# KiCad board KlusterLab r2.0.kicad_pcb (continued)
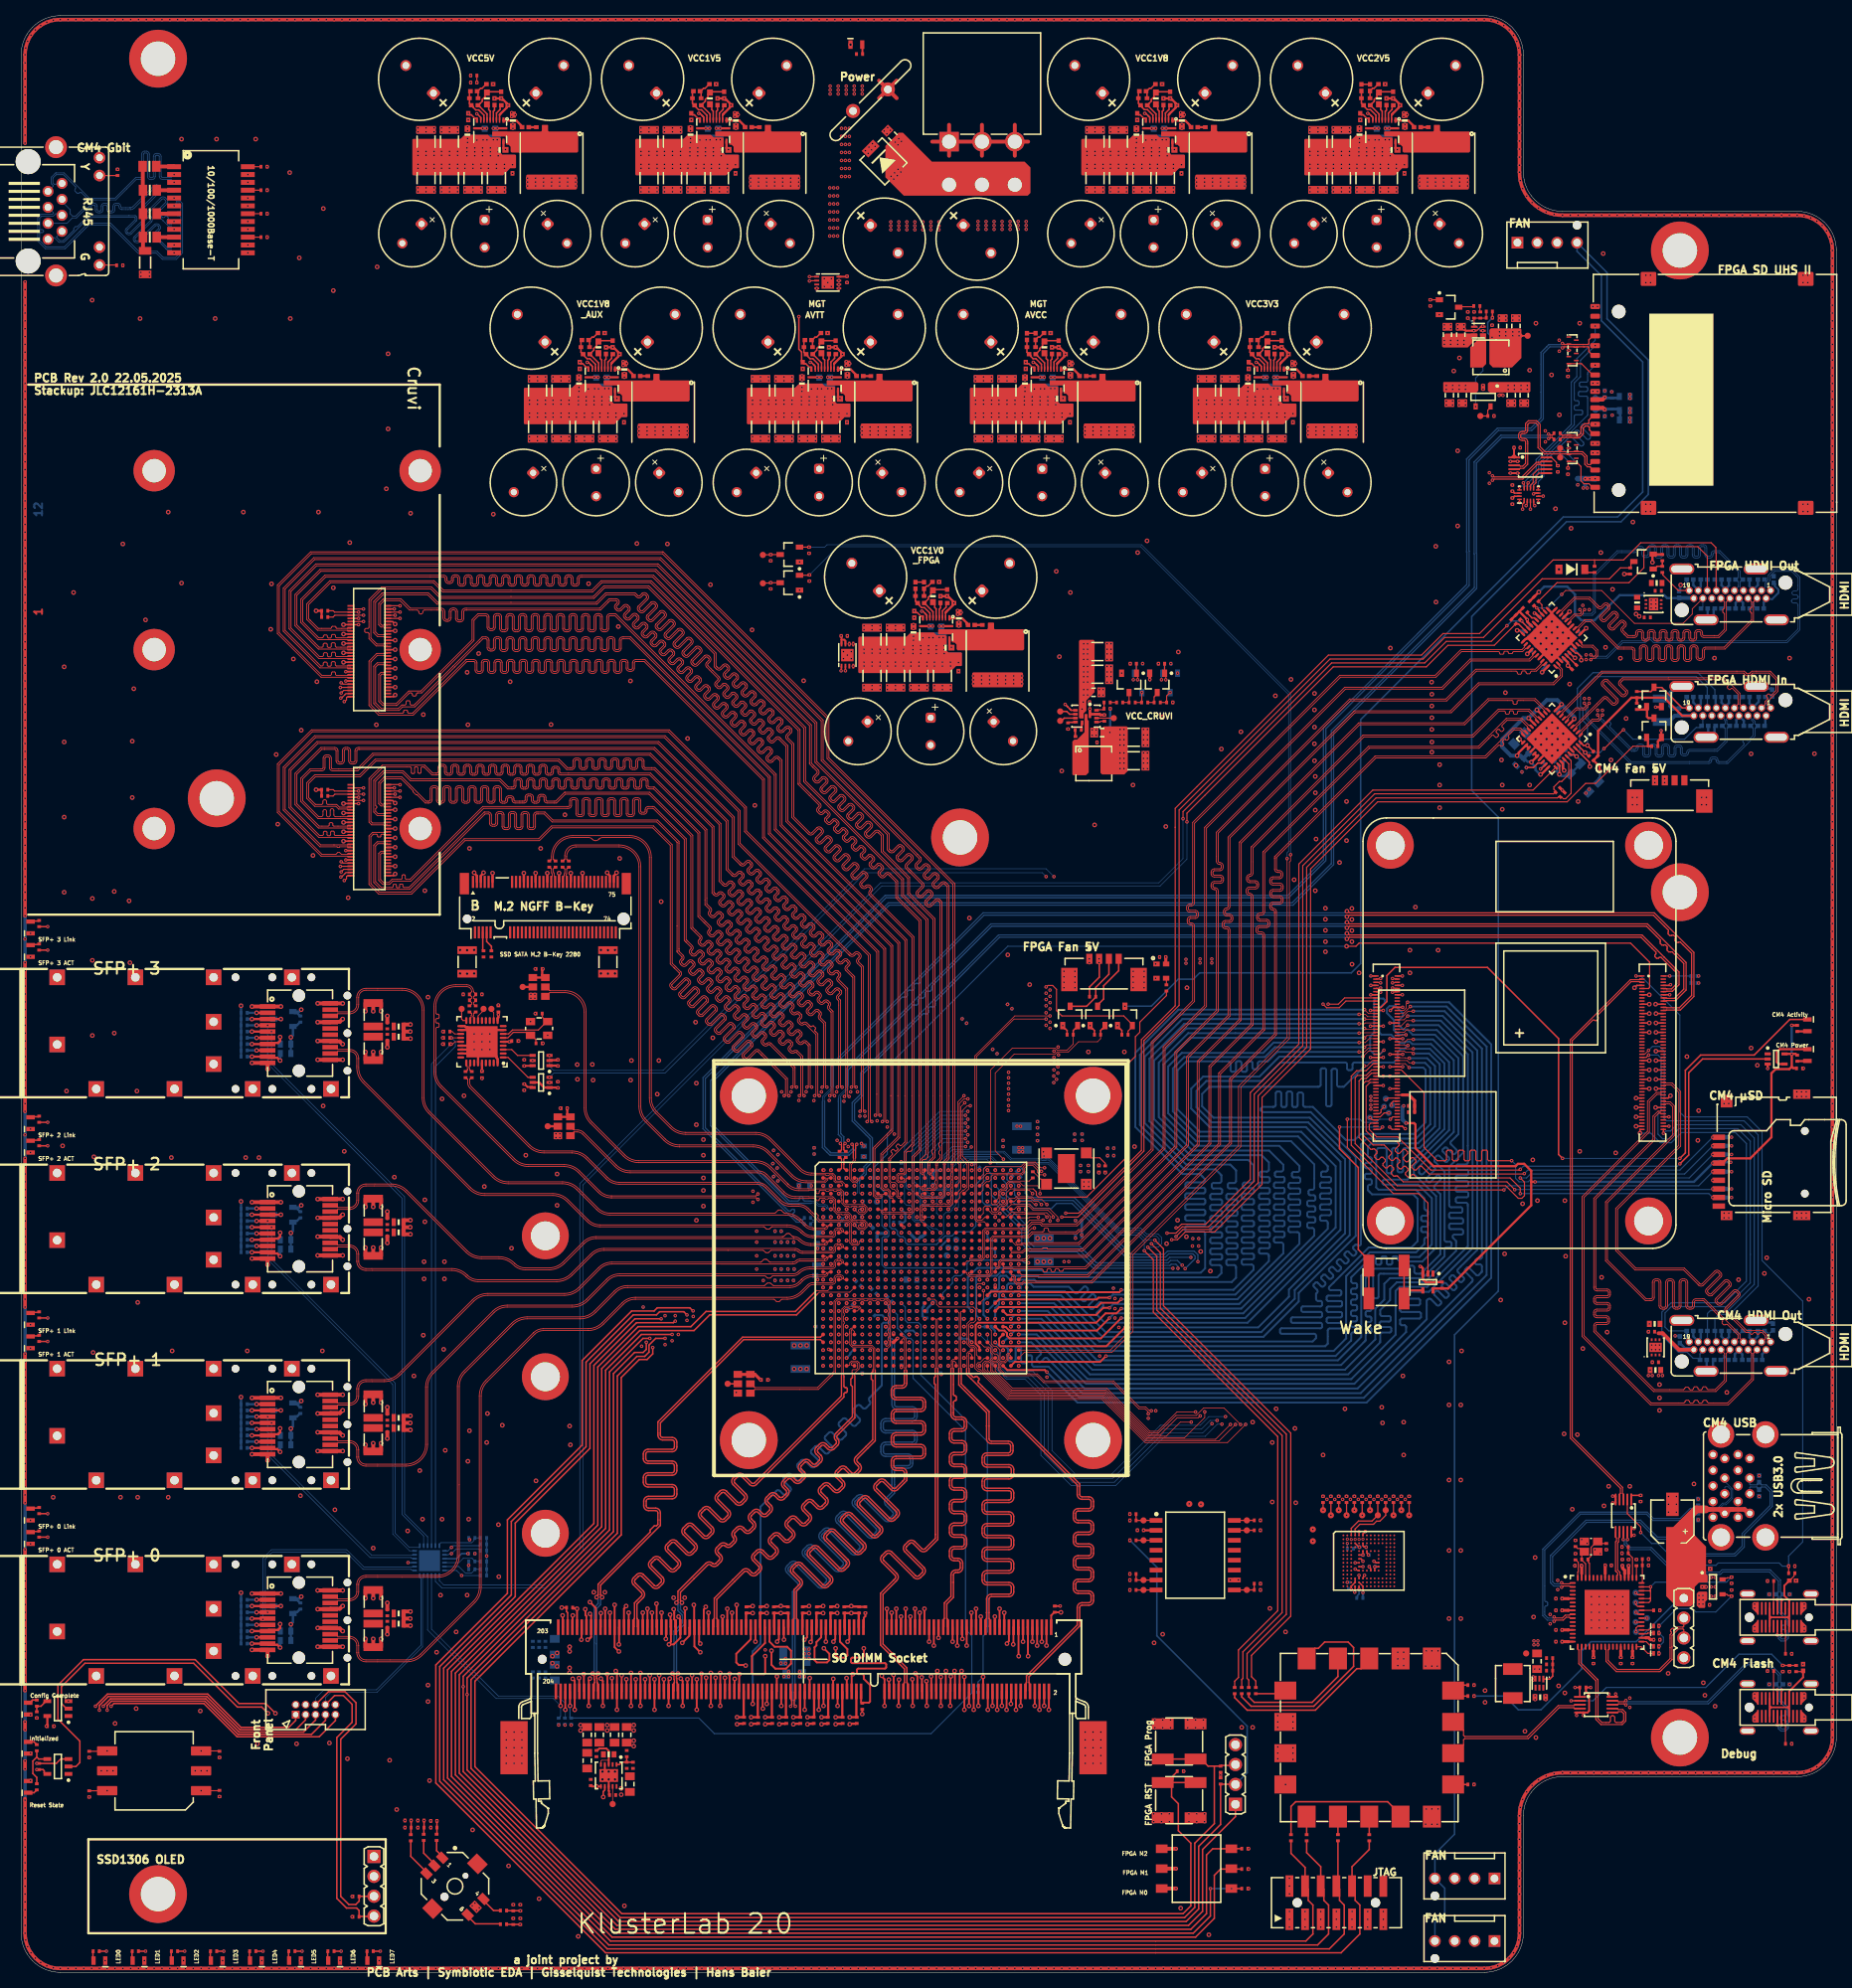
[diagram p0: board, top side]
## Routing (per net, layer and track width the routed paths; a pad name or vN(x,y) marks a point on that pad's centre or on a via; arc(x,y) is an arc through that point) (continued)
HDMI_FPGA_RX0_P: length 123.2
  L1 Top w0.1: 128.42,89.88 128.4,89.9 125.56,89.9 125.5,89.84 U1.P24
  L1 Top w0.114: 128.42,89.88 130.45,89.88 arc(130.55,89.83) 130.6,89.73 130.6,89.64 arc(130.65,89.53) 130.75,89.48 130.96,89.48 arc(131.07,89.53) 131.11,89.64 131.11,89.75 arc(131.16,89.86) 131.27,89.91 131.47,89.91 arc(131.58,89.86) 131.63,89.75 131.63,89.67 arc(131.67,89.56) 131.78,89.52 131.99,89.52 arc(132.1,89.56) 132.14,89.67 132.14,89.75 arc(132.19,89.86) 132.3,89.91 132.5,89.91 arc(132.61,89.86) 132.66,89.75 132.66,89.73 arc(132.7,89.62) 132.81,89.57 133.01,89.57 arc(133.12,89.62) 133.17,89.73 arc(133.21,89.83) 133.32,89.88 136.08,89.88 152.05,105.85 152.05,115.66 157.44,121.05 157.44,137.45 arc(157.32,137.74) 157.03,137.86 156.98,137.86 arc(156.86,137.91) 156.81,138.03 156.81,138.25 arc(156.86,138.37) 156.98,138.42 157.75,138.42 arc(158.04,138.54) 158.16,138.83 158.16,139.06 arc(158.04,139.35) 157.75,139.47 157.03,139.47 arc(156.91,139.52) 156.86,139.64 156.86,139.86 arc(156.91,139.98) 157.03,140.03 arc(157.32,140.15) 157.44,140.44 157.44,143.66 171.63,157.85 185.59,157.85 188.9,161.15 189.54,161.15 arc(189.65,161.11) 189.7,161 189.7,160.91 arc(189.74,160.8) 189.85,160.76 190.06,160.76 arc(190.17,160.8) 190.21,160.91 190.21,161.03 arc(190.26,161.14) 190.36,161.18 190.57,161.18 arc(190.68,161.14) 190.72,161.03 190.72,160.91 arc(190.77,160.8) 190.88,160.76 191.08,160.76 arc(191.19,160.8) 191.24,160.91 191.24,161 arc(191.28,161.11) 191.39,161.15 192.65,161.15 193.58,160.22 193.58,160.03 U21.15
HDMI_FPGA_RX1_N: length 117.7
  L1 Top w0.114: U1.P26 127.88,89.12 136.28,89.12 153.05,105.89 153.05,114.88 153.12,114.95 158.7,120.53 158.7,132.52 arc(158.65,132.64) 158.53,132.69 158.23,132.69 arc(157.94,132.81) 157.82,133.1 157.82,133.32 arc(157.94,133.61) 158.23,133.73 159.18,133.73 arc(159.3,133.78) 159.35,133.9 159.35,134.13 arc(159.3,134.25) 159.18,134.3 158.32,134.3 arc(158.03,134.42) 157.91,134.71 157.91,134.93 arc(158.03,135.22) 158.32,135.34 158.53,135.34 arc(158.65,135.39) 158.7,135.51 158.7,136.35 158.7,143.14 158.77,143.21 172.2,156.64 186.24,156.64 189.81,160.21 191.81,160.21 192.69,159.33 192.88,159.33 U21.17
HDMI_FPGA_RX1_P: length 119.5
  L1 Top w0.114: U21.18 192.52,158.97 192.52,159.16 191.71,159.97 189.91,159.97 189.29,159.35 arc(189.24,159.24) 189.29,159.13 189.48,158.94 arc(189.52,158.83) 189.48,158.72 189.33,158.58 arc(189.22,158.53) 189.11,158.58 188.91,158.78 arc(188.8,158.83) 188.69,158.78 188.54,158.64 arc(188.5,158.53) 188.54,158.42 188.79,158.18 arc(188.83,158.07) 188.79,157.96 188.64,157.81 arc(188.53,157.77) 188.42,157.81 188.2,158.04 arc(188.09,158.08) 187.98,158.04 186.34,156.4 172.3,156.4 158.94,143.04 158.94,135.51 arc(158.82,135.22) 158.53,135.1 158.32,135.1 arc(158.2,135.05) 158.15,134.93 158.15,134.71 arc(158.2,134.59) 158.32,134.54 159.18,134.54 arc(159.47,134.42) 159.59,134.13 159.59,133.9 arc(159.47,133.61) 159.18,133.49 158.23,133.49 arc(158.11,133.44) 158.06,133.32 158.06,133.1 arc(158.11,132.98) 158.23,132.93 158.53,132.93 arc(158.82,132.81) 158.94,132.52 158.94,120.43 158.87,120.36 153.29,114.78 153.29,105.79 136.38,88.88 127.88,88.88 U1.R26
HDMI_FPGA_RX2_N: length 121.5
  L1 Top w0.1: U1.P25 126.58,89.42 126.58,89.16 126.64,89.1 126.88,89.1 127.1,88.88 127.1,88.3 127.3,88.1 127.9,88.1 128.1,88.3 128.5,88.3 128.52,88.32
  L1 Top w0.114: 128.52,88.32 136.78,88.32 154.45,105.99 154.45,114.16 154.52,114.23 160.2,119.91 160.2,135.53 arc(160.15,135.65) 160.03,135.7 159.99,135.7 arc(159.7,135.82) 159.58,136.11 159.58,136.34 arc(159.7,136.63) 159.99,136.75 160.89,136.75 arc(161.01,136.8) 161.06,136.92 161.06,137.14 arc(161.01,137.26) 160.89,137.31 159.99,137.31 arc(159.7,137.43) 159.58,137.72 159.58,137.95 arc(159.7,138.24) 159.99,138.36 160.89,138.36 arc(161.01,138.41) 161.06,138.53 161.06,138.75 arc(161.01,138.87) 160.89,138.92 159.99,138.92 arc(159.7,139.04) 159.58,139.33 159.58,139.56 arc(159.7,139.85) 159.99,139.97 160.83,139.97 arc(160.95,140.02) 161,140.14 161,140.36 arc(160.95,140.48) 160.83,140.53 160.61,140.53 arc(160.32,140.65) 160.2,140.94 160.2,142.54 160.27,142.61 173.06,155.4 187.1,155.4 190.65,158.95 191.65,158.95 191.99,158.62 192.17,158.62 U21.19
HDMI_FPGA_RX2_P: length 122.3
  L1 Top w0.1: 128.52,88.08 128.5,88.1 128.18,88.1 127.98,87.9 127.22,87.9 126.9,88.22 126.9,88.8 126.8,88.9 126.64,88.9 126.58,88.84 126.58,88.58 U1.R25
  L1 Top w0.114: 128.52,88.08 136.88,88.08 154.69,105.89 154.69,114.06 160.44,119.81 160.44,135.53 arc(160.32,135.82) 160.03,135.94 159.99,135.94 arc(159.87,135.99) 159.82,136.11 159.82,136.34 arc(159.87,136.46) 159.99,136.51 160.89,136.51 arc(161.18,136.63) 161.3,136.92 161.3,137.14 arc(161.18,137.43) 160.89,137.55 159.99,137.55 arc(159.87,137.6) 159.82,137.72 159.82,137.95 arc(159.87,138.07) 159.99,138.12 160.89,138.12 arc(161.18,138.24) 161.3,138.53 161.3,138.75 arc(161.18,139.04) 160.89,139.16 159.99,139.16 arc(159.87,139.21) 159.82,139.33 159.82,139.56 arc(159.87,139.68) 159.99,139.73 160.83,139.73 arc(161.12,139.85) 161.24,140.14 161.24,140.36 arc(161.12,140.65) 160.83,140.77 160.61,140.77 arc(160.49,140.82) 160.44,140.94 160.44,142.44 173.16,155.16 187.2,155.16 188.8,156.76 arc(188.91,156.81) 189.02,156.76 189.09,156.69 arc(189.2,156.64) 189.31,156.69 189.46,156.84 arc(189.5,156.94) 189.46,157.05 189.37,157.14 arc(189.32,157.25) 189.37,157.36 189.51,157.51 arc(189.62,157.55) 189.73,157.51 189.76,157.47 arc(189.87,157.43) 189.98,157.47 190.12,157.62 arc(190.17,157.73) 190.12,157.84 190.11,157.85 arc(190.07,157.96) 190.11,158.07 190.75,158.71 191.55,158.71 191.82,158.45 191.82,158.26 U21.20
HDMI_FPGA_RXC_N: length 121.5
  L1 Top w0.1: 128.02,91.12 128,91.1 125.22,91.1 124.9,90.78 124.9,90.2 124.8,90.1 124.64,90.1 124.58,90.16 124.58,90.42 U1.N23
  L1 Top w0.114: 128.02,91.12 128.28,91.12 128.76,91.6 136.1,91.6 150.31,105.81 150.31,116.38 150.38,116.45 155.7,121.77 155.7,144.38 155.77,144.45 170.9,159.58 170.97,159.65 184.41,159.65 187.49,162.73 193.53,162.73 194.82,161.45 195,161.45 U21.11
HDMI_FPGA_RXC_P: length 122
  L1 Top w0.1: 128.02,90.88 128,90.9 125.3,90.9 125.1,90.7 125.1,90.12 124.88,89.9 124.64,89.9 124.58,89.84 124.58,89.58 U1.P23
  L1 Top w0.114: 192.01,162.5 191.35,162.5 arc(191.24,162.45) 191.19,162.34 191.19,162.17 arc(191.15,162.06) 191.04,162.02 190.83,162.02 arc(190.73,162.06) 190.68,162.17 190.68,162.34 arc(190.64,162.45) 190.53,162.5 187.6,162.5 184.51,159.41 171.07,159.41 155.94,144.28 155.94,121.67 155.87,121.6 150.55,116.28 150.55,105.71 136.2,91.36 128.86,91.36 128.38,90.88 128.02,90.88 ; 192.01,162.49 193.43,162.49 194.65,161.28 194.65,161.09 U21.12
HDMI_FPGA_RXCEC: length 120.5
  L1 Top w0.15: v1(147.61,95.12) 147.67,95.18 147.9,95.18 148.32,95.6 151.4,95.6 157.1,101.3 157.1,112.4 163.3,118.6 163.3,141.6 172.75,151.05 193.24,151.05 U21.31
  L3 Inner2 (Sig) w0.15: v1(147.61,95.12) 147.15,95.58 140.07,95.58 133.4,88.92 127.21,88.92 126.05,90.08 126.05,91.95 v1(125.5,92.5)
HDMI_FPGA_RXHPD: length 137.4
  L1 Top w0.15: v1(147.05,93.6) 147.78,93.6 148.78,94.6 152.52,94.6 158.6,100.68 158.6,111.78 164.8,117.98 164.8,140.98 173.38,149.55 197.6,149.55 199.95,151.9 201.25,151.9 206,156.65 207.92,156.65
  L1 Top w0.3: Q10.1 207.92,157.61 207.92,156.65 R170.2
  L3 Inner2 (Sig) w0.15: v1(147.05,93.6) 147.05,94.49 146.6,94.95 140.42,94.95 133.77,88.3 126.71,88.3 v1(123.51,91.5)
HDMI_FPGA_RXSCL: length 126.8
  L1 Top w0.15: U21.35 198.1,154.81 198.1,150.95 198.1,150.65 197.4,149.95 197.1,149.95 196.88,150.17 R168.1 196.68,150.21 196.52,150.21 196.36,150.05 173.17,150.05 164.3,141.19 164.3,118.19 158.1,111.99 158.1,100.89 152.13,94.91 148.5,94.91 147.6,94.02 v1(147.6,94)
  L3 Inner2 (Sig) w0.15: v1(125.5,91.5) 125.5,90.09 126.99,88.6 133.65,88.6 140.31,95.26 146.84,95.26 147.6,94.51 147.6,94.02
HDMI_FPGA_RXSDA: length 127.6
  L1 Top w0.15: U21.34 197.8,154.41 197.8,153.05 196.9,152.15 196.6,152.15 195.9,151.45 195.9,151.15 196.12,150.93 R169.1 196.05,150.77 195.85,150.58 172.98,150.58 163.8,141.39 163.8,118.39 157.6,112.19 157.6,101.09 151.76,95.25 148.4,95.25 147.6,94.45 v1(146.45,94.45)
  L3 Inner2 (Sig) w0.15: v1(146.45,94.45) 146.39,94.45 146.21,94.63 140.58,94.63 133.91,87.96 125.3,87.96 125,88.26 125,88.6 124.6,89 124.3,89 124,89.3 124,89.65 123.65,90 123.3,90 123.1,90.2 123.1,90.9 v1(122.5,91.5)
HDMI_FPGA_TX0_N: length 130.1
  L1 Top w0.1: 128.02,94.12 128,94.1 124.2,94.1 123.9,93.8 123.9,89.33 123.67,89.1 121.26,89.1 121.1,89.26 121.1,89.36 121.16,89.42 121.42,89.42 U1.P20
  L1 Top w0.114: U19.35 193.2,168.45 193.2,168.26 192.73,167.79 185.2,167.79 181.59,164.19 169.16,164.19 151.25,146.29 151.25,123.52 145.96,118.22 145.96,105.36 135.5,94.9 135.14,94.9 134.86,94.62 131.47,94.62 arc(131.35,94.67) 131.3,94.79 131.3,94.93 arc(131.25,95.05) 131.13,95.1 130.9,95.1 arc(130.78,95.05) 130.73,94.93 130.73,94.79 arc(130.68,94.67) 130.56,94.62 129.18,94.62 128.68,94.12 128.02,94.12
HDMI_FPGA_TX0_P: length 130
  L1 Top w0.1: 128.02,93.88 128,93.9 124.28,93.9 124.1,93.72 124.1,89.25 123.75,88.9 121.18,88.9 120.9,89.18 120.9,89.36 120.84,89.42 120.58,89.42 U1.P19
  L1 Top w0.114: U19.36 193.55,168.09 193.37,168.09 192.83,167.55 185.3,167.55 181.69,163.95 169.26,163.95 151.5,146.19 151.5,123.42 146.2,118.12 146.2,105.26 135.6,94.66 135.24,94.66 134.96,94.38 129.28,94.38 128.78,93.88 128.02,93.88
HDMI_FPGA_TX1_N: length 123.2
  L1 Top w0.1: 128.48,93.2 127.91,93.2 127.81,93.1 127.23,93.1 127.14,93.19 127.14,93.27 127.25,93.38 127.27,93.38 127.39,93.5 U1.K26
  L1 Top w0.114: 128.48,93.23 135.13,93.23 147.46,105.56 147.46,117.6 152.76,122.9 152.76,138.17 arc(152.71,138.29) 152.59,138.34 152.49,138.34 arc(152.2,138.46) 152.08,138.75 152.08,138.97 arc(152.2,139.26) 152.49,139.38 153.27,139.38 arc(153.39,139.43) 153.44,139.55 153.44,139.78 arc(153.39,139.9) 153.27,139.95 152.49,139.95 arc(152.2,140.07) 152.08,140.36 152.08,140.58 arc(152.2,140.87) 152.49,140.99 153.22,140.99 arc(153.34,141.04) 153.39,141.16 153.39,141.39 arc(153.34,141.51) 153.22,141.56 153.17,141.56 arc(152.88,141.68) 152.76,141.97 152.76,145.66 169.78,162.69 182.1,162.69 185.9,166.49 193.55,166.49 194.26,167.2 194.26,167.39 U19.38
HDMI_FPGA_TX1_P: length 124.7
  L1 Top w0.1: 128.48,93 128,93 127.89,92.9 127.33,92.9 127.33,92.9 127.12,92.9 126.59,93.42 126.58,93.42 U1.K25
  L1 Top w0.114: U19.39 194.61,167.03 194.43,167.03 193.65,166.25 193.08,166.25 arc(192.96,166.2) 192.91,166.08 arc(192.86,165.97) 192.74,165.92 192.51,165.92 arc(192.39,165.97) 192.34,166.08 192.34,166.11 arc(192.29,166.23) 192.17,166.28 191.95,166.28 arc(191.83,166.23) 191.78,166.11 191.78,166.03 arc(191.73,165.91) 191.61,165.86 191.38,165.86 arc(191.26,165.91) 191.22,166.03 191.22,166.08 arc(191.17,166.2) 191.05,166.25 186,166.25 182.2,162.45 169.88,162.45 153,145.56 153,141.97 arc(153.05,141.85) 153.17,141.8 153.22,141.8 arc(153.51,141.68) 153.63,141.39 153.63,141.16 arc(153.51,140.87) 153.22,140.75 152.49,140.75 arc(152.37,140.7) 152.33,140.58 152.33,140.36 arc(152.37,140.24) 152.49,140.19 153.27,140.19 arc(153.56,140.07) 153.68,139.78 153.68,139.55 arc(153.56,139.26) 153.27,139.14 152.49,139.14 arc(152.37,139.09) 152.33,138.97 152.33,138.75 arc(152.37,138.63) 152.49,138.58 152.59,138.58 arc(152.88,138.46) 153,138.17 153,122.8 147.7,117.5 147.7,105.46 135.23,92.98 128.48,92.98
HDMI_FPGA_TX2_N: length 125.1
  L1 Top w0.1: U1.L25 126.5,92.16 126.56,92.1 127.92,92.1 128.22,92.4 128.5,92.4 128.52,92.42
  L1 Top w0.114: 128.51,92.42 130.51,92.42 130.57,92.49 130.57,92.51 130.62,92.55 131.09,92.55 131.14,92.51 131.14,92.49 131.2,92.42 135.62,92.42 148.96,105.76 148.96,116.98 154.25,122.28 154.25,133.17 arc(154.21,133.29) 154.09,133.34 153.91,133.34 arc(153.62,133.46) 153.5,133.75 153.5,133.98 arc(153.62,134.27) 153.91,134.39 154.45,134.39 arc(154.57,134.44) 154.62,134.56 154.62,134.78 arc(154.57,134.9) 154.45,134.95 154.09,134.95 arc(153.8,135.07) 153.68,135.36 153.68,135.59 arc(153.8,135.88) 154.09,136 arc(154.21,136.05) 154.25,136.17 154.25,137.3 154.25,145.05 170.32,161.11 170.39,161.18 182.69,161.18 186.26,164.75 195.8,164.75 196.74,165.69 196.74,166.39 196.45,166.68 196.27,166.68 U19.1
HDMI_FPGA_TX2_P: length 125.5
  L1 Top w0.1: U1.M25 126.5,91.84 126.56,91.9 128,91.9 128.3,92.2 128.5,92.2 128.52,92.18
  L1 Top w0.114: 128.52,92.18 135.72,92.18 149.2,105.66 149.2,116.88 154.5,122.18 154.5,133.17 arc(154.38,133.46) 154.09,133.58 153.91,133.58 arc(153.79,133.63) 153.74,133.75 153.74,133.98 arc(153.79,134.1) 153.91,134.15 154.45,134.15 arc(154.74,134.27) 154.86,134.56 154.86,134.78 arc(154.74,135.07) 154.45,135.19 154.09,135.19 arc(153.97,135.24) 153.92,135.36 153.92,135.59 arc(153.97,135.71) 154.09,135.76 arc(154.38,135.88) 154.5,136.17 154.5,144.95 170.49,160.94 182.79,160.94 186.36,164.51 195.9,164.51 196.98,165.59 196.98,166.49 196.62,166.85 196.62,167.03 U19.2
HDMI_FPGA_TXC_N: length 130.7
  L1 Top w0.1: U1.M20 121.24,91.24 121.24,91.16 121.3,91.1 122.67,91.1 122.9,91.33 122.9,94.78 123.22,95.1 128,95.1 128.02,95.12
  L1 Top w0.114: U19.32 192.14,169.51 192.14,169.32 191.81,168.99 191.8,169 184.01,169 180.73,165.72 168.53,165.72 149.73,146.92 149.73,136.67 arc(149.68,136.55) 149.56,136.5 149.37,136.5 arc(149.08,136.38) 148.96,136.09 148.96,135.86 arc(149.08,135.57) 149.37,135.45 150.06,135.45 arc(150.18,135.41) 150.23,135.29 150.23,135.06 arc(150.18,134.94) 150.06,134.89 149.44,134.89 arc(149.15,134.77) 149.03,134.48 149.03,134.26 arc(149.15,133.97) 149.44,133.85 149.56,133.85 arc(149.68,133.8) 149.73,133.68 149.73,124.15 144.43,118.86 144.43,105.17 134.88,95.62 130.54,95.62 130.32,95.84 129.14,95.84 128.42,95.12 128.02,95.12
HDMI_FPGA_TXC_P: length 132.2
  L1 Top w0.1: 128.02,94.88 128,94.9 123.3,94.9 123.1,94.7 123.1,91.25 122.75,90.9 120.9,90.9 U1.N19
  L1 Top w0.114: U19.33 192.49,169.15 192.31,169.15 191.91,168.75 190.75,168.75 arc(190.67,168.72) 190.63,168.64 190.63,168.6 arc(190.6,168.52) 190.52,168.49 190.18,168.49 arc(190.1,168.52) 190.07,168.6 190.07,168.67 arc(190.04,168.75) 189.96,168.79 189.62,168.79 arc(189.54,168.75) 189.51,168.67 189.51,168.54 arc(189.47,168.46) 189.39,168.42 189.06,168.42 arc(188.98,168.46) 188.94,168.54 188.94,168.64 arc(188.91,168.72) 188.83,168.75 184.1,168.75 180.83,165.48 168.62,165.48 149.97,146.82 149.97,136.67 arc(149.85,136.38) 149.56,136.26 149.37,136.26 arc(149.25,136.21) 149.2,136.09 149.2,135.86 arc(149.25,135.75) 149.37,135.7 150.06,135.7 arc(150.35,135.58) 150.47,135.29 150.47,135.06 arc(150.35,134.77) 150.06,134.65 149.44,134.65 arc(149.33,134.6) 149.28,134.48 149.28,134.26 arc(149.33,134.14) 149.44,134.09 149.56,134.09 arc(149.85,133.97) 149.97,133.68 149.97,133.01 149.97,124.05 144.67,118.76 144.67,105.07 134.98,95.38 130.44,95.38 130.22,95.6 129.24,95.6 128.52,94.88 128.02,94.88
HDMI_FPGA_TXCEC: length 160.6
  L1 Top w0.15: 201.1,180.45 195.8,180.45 186.4,171.05 181.73,171.05 178.98,168.3 167.08,168.3 150.26,151.49 147.5,148.72 147.5,146.3 147.5,123.5 143.18,119.18 143.18,105.02 135.16,97 v1(133.5,97) ; 201.1,180.45 R151.2 ; 201.1,180.45 204.8,180.45 207,182.65 216,182.65 216.6,182.05 216.6,181.35 ; 216.63,181.35 216.63,176.58 J23.13
  L3 Inner2 (Sig) w0.15: v1(127.5,90.5) 129.1,92.1 132.3,92.1 133.5,93.3 v1(133.5,97)
  L12 Bottom w0.166: J23.13 216.66,177.76 D44.2
HDMI_FPGA_TXHPD: length 140.3
  L1 Top w0.15: Q9.3 205.97,180.25 205.75,180.03 205.75,179.54 R155.1 204.4,179.45 203,178.05 194.4,178.05 186.9,170.55 181.94,170.55 179.19,167.8 167.29,167.8 148,148.51 148,123.55 143.5,119.05 143.5,104.94 135.06,96.5 v1(133,96.5)
  L3 Inner2 (Sig) w0.15: v1(127.5,91.5) 128.6,92.6 132,92.6 133,93.6 v1(133,96.5)
HDMI_FPGA_TXSCL: length 222.7
  L1 Top w0.15: R158.2 188.29,169.55 182.35,169.55 179.6,166.8 167.7,166.8 151.33,150.42 149,148.1 v1(149,147)
  L1 Top w0.2: U19.29 191.37,172.28 191.22,172.28 191.18,172.32 191.05,172.32 R158.2
  L12 Bottom w0.1: U22.2 52.95,49.95 53.8,49.1 66.97,49.1 71.8,53.93 71.8,100.6 110,138.8 145.57,138.8 149,142.23 v1(149,147)
HDMI_FPGA_TXSDA: length 222.7
  L1 Top w0.15: v1(189.9,172.05) 187.9,170.05 182.15,170.05 179.39,167.3 167.49,167.3 150.97,150.78 148.5,148.31 v1(148.5,147.4)
  L1 Top w0.2: R159.2 191.58,172.81 192.66,171.73 U19.28
  L12 Bottom w0.1: v1(148.5,147.4) 148.5,142.3 145.4,139.2 109.83,139.2 71.4,100.77 71.4,54.1 66.8,49.5 54,49.5 53.45,50.05 U22.1
  L12 Bottom w0.2: v1(189.9,172.05) 190.5,172.65 v1(191.8,172.65)
HDMI_RX_PEEN: length 1.7
  L1 Top w0.2: v1(194.2,153.75) 194.27,153.75 U21.29
  L12 Bottom w0.2: v1(194.2,153.75) 194.2,153.83 194.74,154.36 R165.2
HDMI_RX_TXEN: length 2.4
  L1 Top w0.2: v1(192.38,153.93) 192.4,153.95 193.29,153.95 193.85,154.51 194.31,154.51 U21.28
I2C_OLED_SCL: length 63.5
  L1 Top w0.2: J28.6 39.28,35.85 41.4,35.85 42.8,34.45 42.8,31.74 40.85,29.79 40.85,9.7 41.88,8.67 42.77,8.67 43.21,9.1 43.21,9.71 ; 43.21,9.71 45.08,9.71 J25.3 ; 43.21,9.71 R173.1
  L12 Bottom w0.1: J28.6 37.63,35.03 38.7,36.1 45.4,36.1 51.1,41.8 51.1,50.38 51.04,50.44 51.03,50.44 50.95,50.51 U22.6
I2C_OLED_SDA: length 61.3
  L1 Top w0.2: R174.1 43.19,7.91 42.88,8.22 41.58,8.22 40.35,9.45 40.35,30 42.3,31.95 42.3,34.24 41.18,35.37 40.07,35.37 J28.8 ; J25.4 45.05,7.14 43.24,7.14
  L12 Bottom w0.1: U22.5 51.45,50.51 51.38,50.44 51.36,50.44 51.3,50.38 51.3,41.6 45.5,35.8 39.6,35.8 38.9,35.1 J28.8
JTAG_TCK: length 241.3
  L1 Top w0.2: R97.1 164.3,15.3 166.1,13.5 J18.6 166.5,10.63 166.5,9.2 167.1,8.6 167.1,4.9 165.7,3.5 145,3.5 75.11,3.5 54,24.61 54,38.86 63.15,48.01 63.15,57.4 72.7,66.95 72.7,77.76 78.44,83.5 v1(81.8,83.5)
  L10 Inner9 (Sig) w0.1: v1(109.5,92.5) 109.1,92.9 101.4,92.9 101.2,92.7 88.2,92.7 81.82,86.32 81.82,83.52 v1(81.8,83.5)
JTAG_TDI: length 244.1
  L1 Top w0.2: v1(85.88,84.52) 85.85,84.52 85.47,84.9 81.3,84.9 80.9,84.5 78.03,84.5 71.7,78.17 71.7,67.36 62.15,57.81 62.15,48.42 53,39.27 53,24.2 74.7,2.5 168.7,2.5 171.1,4.9 171.1,8.6 170.5,9.2 170.5,10.63 J18.10 170.1,13.5 172.3,15.7 R100.1
  L3 Inner2 (Sig) w0.1: v1(107.5,88.5) 107.1,88.9 89.7,88.9 85.92,85.12 85.92,84.55 v1(85.88,84.52)
JTAG_TDO: length 240.9
  L1 Top w0.2: R99.1 168.3,11.23 J18.8 168.5,10.63 168.5,9.2 169.1,8.6 169.1,4.9 167.2,3 145,3 74.91,3 53.5,24.41 53.5,39.06 62.65,48.21 62.65,57.61 72.2,67.16 72.2,77.96 78.24,84 81.2,84 81.6,84.4 84.7,84.4 v1(85.1,84)
  L3 Inner2 (Sig) w0.1: v1(85.1,84) 85.1,84.7 89.5,89.1 107.9,89.1 v1(108.5,88.5)
JTAG_TMS: length 236.2
  L1 Top w0.2: R101.1 162.3,15.2 164.1,13.4 J18.4 164.5,10.63 164.5,9.2 165.1,8.6 165.1,4.9 164.2,4 145,4 75.32,4 54.5,24.82 54.5,38.65 73.2,57.35 73.2,77.55 78.65,83 83.36,83 83.56,83.2 v1(83.6,83.2)
  L10 Inner9 (Sig) w0.1: v1(109.5,90.5) 109.1,90.9 89.4,90.9 84.1,85.6 84.1,83.7 v1(83.6,83.2)
JTAG_USB_D_N: length 19
  L1 Top w0.146: U11.16 183.28,28 184.35,29.08 184.35,29.72 184.5,29.86 192.61,29.86 196.56,33.81 198.45,33.81 198.57,33.7 U9.4
JTAG_USB_D_P: length 19
  L1 Top w0.146: U11.17 183.28,32 184.35,30.92 184.35,30.28 184.5,30.14 192.5,30.14 196.45,34.08 198.45,34.08 198.57,34.2 U9.3
Main_I2C_MUX_RST: length 115.4
  L1 Top w0.1: U1.W21 122.1,84.9 122.1,87.8 122.3,88 v1(123,88)
  L10 Inner9 (Sig) w0.1: v1(56.3,50.7) 54.5,52.5 54.5,65.17 60.73,71.4 69.5,71.4 77.4,79.3 80.9,79.3 81.3,79.7 81.3,86.8 87.7,93.2 92.45,93.2 93.1,93.85 99.13,93.85 99.78,93.2 101.3,93.2 101.4,93.1 116.5,93.1 116.9,92.7 116.9,88.29 117.3,87.88 118.88,87.88 119.1,88.1 119.75,88.1 120.1,87.75 120.1,87.37 120.37,87.1 120.7,87.1 121,87.4 121,87.65 121.35,88 v1(123,88)
  L12 Bottom w0.114: R199.1 v1(56.3,50.7) 55.65,51.35 U22.24
Main_I2C_SCL: length 106
  L1 Top w0.1: U1.V21 123,86 v1(123,87.1)
  L10 Inner9 (Sig) w0.1: v1(123,87.1) 122.97,87.1 122.77,86.9 120.29,86.9 119.9,87.29 119.9,87.65 119.65,87.9 119.25,87.9 119.01,87.66 118.23,87.66 117.7,87.12 116.34,87.12 116.13,87.34 116.13,91.77 115.8,92.1 101.4,92.1 101.2,92.3 88.8,92.3 82.7,86.2 82.7,83.1 81.6,82 81.6,79.4 81.1,78.9 77.57,78.9 69.67,71 60.91,71 55,65.09 v1(55,54.3)
  L12 Bottom w0.114: 58.61,54.8 58.66,54.75 58.66,54.6 58.57,54.52 55.23,54.52 55.02,54.3 v1(55,54.3) 54.55,53.85 U22.19
Main_I2C_SDA: length 111.8
  L1 Top w0.1: U1.AE21 122.1,78.9 122.1,79.77 121.78,80.1 121.33,80.1 121.1,80.33 121.1,82.73 121.38,83 121.73,83 122,83.28 122,84.7 121.7,85 117.35,85 117,85.35 117,85.75 116.75,86 v1(116,86)
  L10 Inner9 (Sig) w0.114: v1(55,53.5) 55.5,54 55.5,65 61.1,70.6 69.83,70.6 77.73,78.5 81.3,78.5 81.9,79.1 81.9,81.6 83.1,82.8 83.1,85.6 89.2,91.7 92.45,91.7 92.7,91.95 99.15,91.95 99.4,91.7 103.91,91.7 104.1,91.89 115.7,91.89 115.92,91.67 115.92,87.26 116,87.18 v1(116,86)
  L12 Bottom w0.114: U22.20 54.58,53.35 54.69,53.45 54.95,53.45 v1(55,53.5) 55.6,54.1 58.51,54.1 58.52,54.08 58.57,54.08 58.71,53.95 R197.1
MGTAVCC: length 13.3
  L10 Inner9 (Sig) w0.4: v1(134.05,198.05) 134.58,198.57 134.58,200.15 133.96,200.77 133.96,202.71 133.31,203.36 133.31,204.59 131.05,206.85 131.05,208.19 131.58,208.71 v1(131.58,209.45)
  vias: v1(107.5,100.5) v1(107.51,98.5) v1(107.5,96.5) v1(107.5,94.5) v1(107.5,92.5) v1(107.7,104.2) v1(121.98,196.2) v1(121.98,195.7) v1(123,196.2) v1(123,195.7) v1(124.03,196.2) v1(124.03,195.7) v1(124.98,196.2) v1(124.98,195.7) v1(126,196.2) v1(126,195.7) v1(127.03,196.2) v1(127.03,195.7) v1(127.98,196.2) v1(127.98,195.7) v1(129,196.2) v1(129,195.7) v1(130.03,196.2) v1(130.03,195.7) v1(130.98,196.2) v1(130.98,195.7) v1(132,196.2) v1(132,195.7) v1(133.03,196.2) v1(133.03,195.7) v1(135.98,197.44) v1(135.98,196.94) v1(135.98,196.44) v1(137,197.44) v1(137,196.94) v1(137,196.44) v1(138.03,197.44) v1(138.03,196.94) v1(138.03,196.44) v1(139.05,197.44) v1(139.05,196.94) v1(139.05,196.44) v1(140.08,197.44) v1(140.08,196.94) v1(140.08,196.44) v1(141.1,197.44) v1(141.1,196.94) v1(141.1,196.44) v1(142.13,197.44) v1(142.13,196.94) v1(142.13,196.44)
MGTAVTT: length 14
  L10 Inner9 (Sig) w0.4: v1(105.55,198.05) 106.08,198.58 106.08,200.15 105.46,200.77 105.46,202.71 104.81,203.36 104.81,204.59 102.55,206.85 102.55,208.19 103.08,208.71 v1(103.08,209.45)
  L12 Bottom w0.5: v1(101.8,92.5) 101.8,93.06 101.74,93.13 C261.1
  vias: v1(93.48,196.2) v1(93.48,195.7) v1(94.5,196.2) v1(94.5,195.7) v1(95.53,196.2) v1(95.53,195.7) v1(96.48,196.2) v1(96.48,195.7) v1(97.5,196.2) v1(97.5,195.7) v1(98.53,196.2) v1(98.53,195.7) v1(99.48,196.2) v1(99.48,195.7) v1(100.5,196.2) v1(100.5,195.7) v1(101,100.5) v1(101.53,196.2) v1(101.53,195.7) v1(102.48,196.2) v1(102.48,195.7) v1(103.5,196.2) v1(103.5,195.7) v1(103.5,100.5) v1(103.5,96.5) v1(103.5,92.5) v1(104.53,196.2) v1(104.53,195.7) v1(104.5,101.5) v1(104.5,99.5) v1(104.5,95.5) v1(104.5,91.5) v1(106.5,91.5) v1(107.48,197.44) v1(107.48,196.94) v1(107.48,196.44) v1(108.5,197.44) v1(108.5,196.94) v1(108.5,196.44) v1(109.53,197.44) v1(109.53,196.94) v1(109.53,196.44) v1(110.55,197.44) v1(110.55,196.94) v1(110.55,196.44) v1(111.58,197.44) v1(111.58,196.94) v1(111.58,196.44) v1(112.6,197.44) v1(112.6,196.94) v1(112.6,196.44) v1(113.63,197.44) v1(113.63,196.94) v1(113.63,196.44)
MGTX115_RX0_N: length 104
  L1 Top w0.1: 104.1,88.29 104.1,88.64 arc(104.18,88.83) 104.36,88.9 104.69,88.9 arc(104.82,88.85) 104.91,88.74 arc(104.92,88.69) 104.92,88.64 104.92,88.61 arc(104.89,88.53) 104.81,88.5 ; 101.59,87.89 101.6,87.9 103.71,87.9 arc(103.99,88.01) 104.1,88.29 ; U1.R3 104.8,88.5
  L1 Top w0.114: J2.12 40.2,42.4 40.48,42.68 41.98,42.68 arc(42.63,42.41) 42.9,41.76 42.9,40.84 arc(43.24,40.02) 44.06,39.68 49.27,39.68 arc(50.33,39.89) 51.23,40.49 57.99,47.24 arc(58.59,48.15) 58.8,49.21 58.8,73.65 arc(58.99,74.62) 59.54,75.44 65.65,81.55 arc(66.15,81.88) 66.74,82 72.45,82 arc(73.52,82.21) 74.43,82.82 76.98,85.37 arc(77.68,85.84) 78.5,86 ; 78.5,86 96.17,86 arc(96.24,85.99) 96.3,85.95 96.5,85.75 arc(96.56,85.71) 96.63,85.7 96.83,85.7 arc(96.89,85.71) 96.95,85.75 97.15,85.95 arc(97.21,85.99) 97.28,86 ; 78.5,86 arc(78.5,86) 78.5,86 ; 97.3,86 97.93,86 arc(98.97,86.22) 99.86,86.81 100.71,87.67 arc(100.94,87.82) 101.2,87.87 101.59,87.87
MGTX115_RX0_P: length 104.2
  L1 Top w0.1: 104.35,89.1 104.29,89.1 arc(104.01,88.99) 103.9,88.71 103.9,88.35 arc(103.83,88.17) 103.65,88.1 101.6,88.1 101.59,88.11 ; 104.35,89.1 104.74,89.1 arc(105.01,88.99) 105.12,88.71 105.13,88.66 arc(105.13,88.66) 105.13,88.66 arc(105.12,88.65) 105.12,88.64 105.12,88.61 arc(105.16,88.53) 105.24,88.5 ; 104.35,89.1 arc(104.36,89.1) 104.36,89.1 ; 105.25,88.5 U1.R4 105.55,88.5
  L1 Top w0.114: 78.5,86.24 97.89,86.24 arc(98.86,86.43) 99.68,86.98 100.54,87.84 arc(100.84,88.04) 101.2,88.11 101.59,88.11 ; 78.5,86.24 arc(77.58,86.06) 76.81,85.54 74.26,82.99 arc(73.43,82.44) 72.45,82.24 66.74,82.24 arc(66.06,82.11) 65.48,81.72 ; 78.5,86.24 arc(78.5,86.24) 78.5,86.24 ; 65.48,81.72 65.48,81.72 ; 65.48,81.72 59.37,75.61 arc(58.77,74.71) 58.56,73.65 58.56,49.21 arc(58.37,48.24) 57.82,47.42 51.06,40.66 arc(50.24,40.11) 49.27,39.92 45.56,39.92 44.06,39.92 arc(43.41,40.19) 43.14,40.84 43.14,41.76 arc(42.8,42.58) 41.98,42.92 40.48,42.92 40.2,43.2 J2.13 ; 65.48,81.72 arc(65.48,81.72) 65.48,81.72
